# Altium PCB ZS-005.PcbDoc
Units mm, origin at the board's own origin, x right, y up, seen from the top; angles counter-clockwise.
Board outline 180.25 x 100.25 mm, 2 copper layers (Top Layer, Bottom Layer); 88 components, 144 nets, 418 pads, 166 vias.
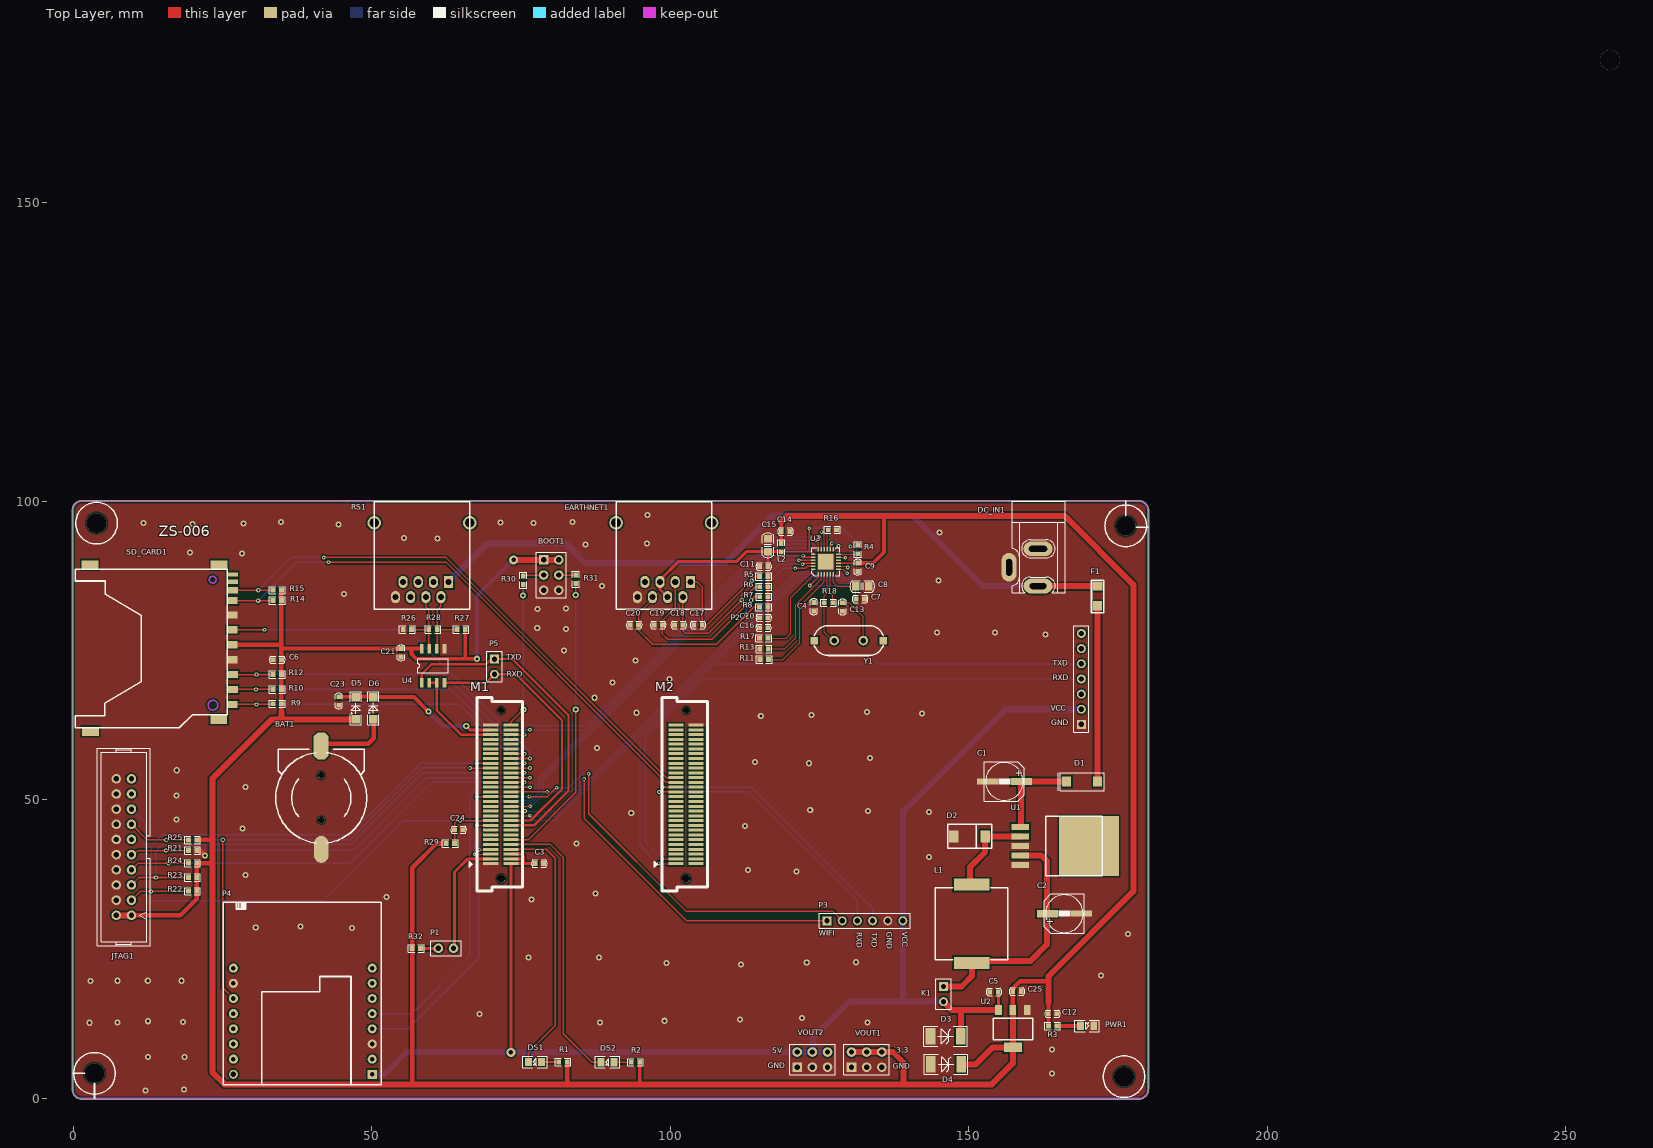
[diagram p0: Top Layer view]
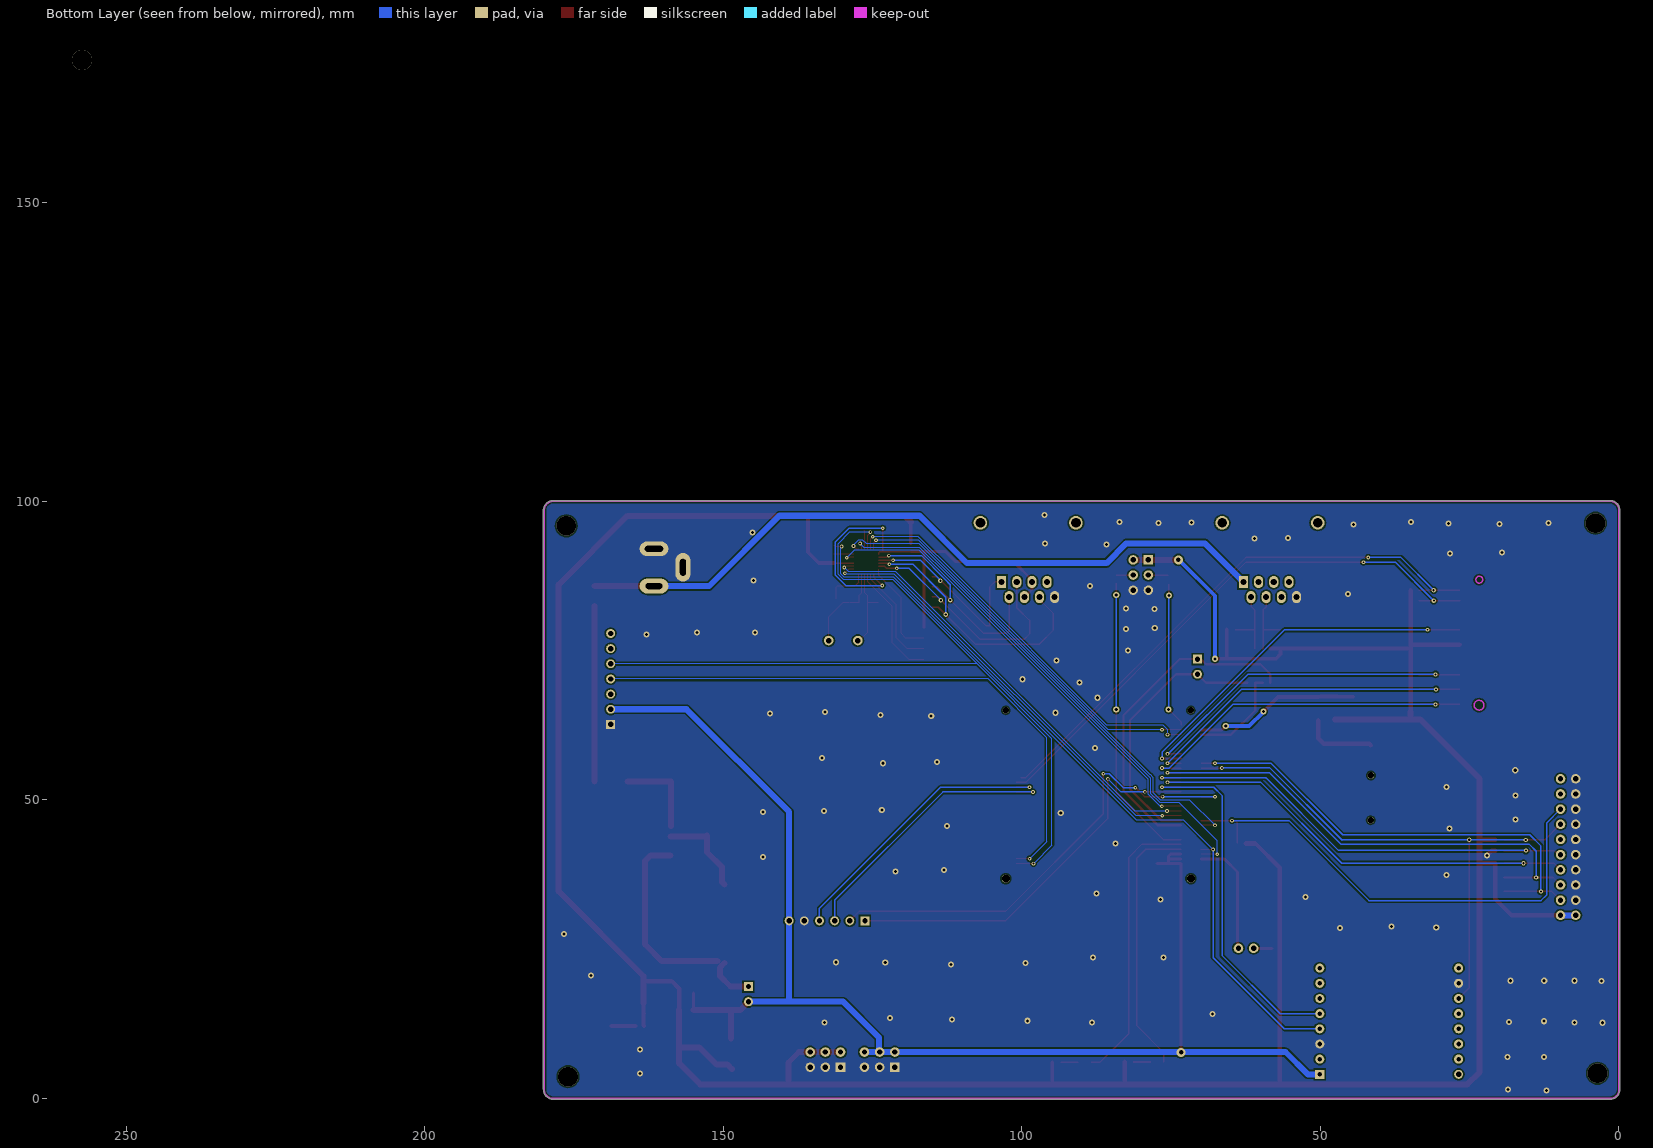
[diagram p1: Bottom Layer view, seen from below]
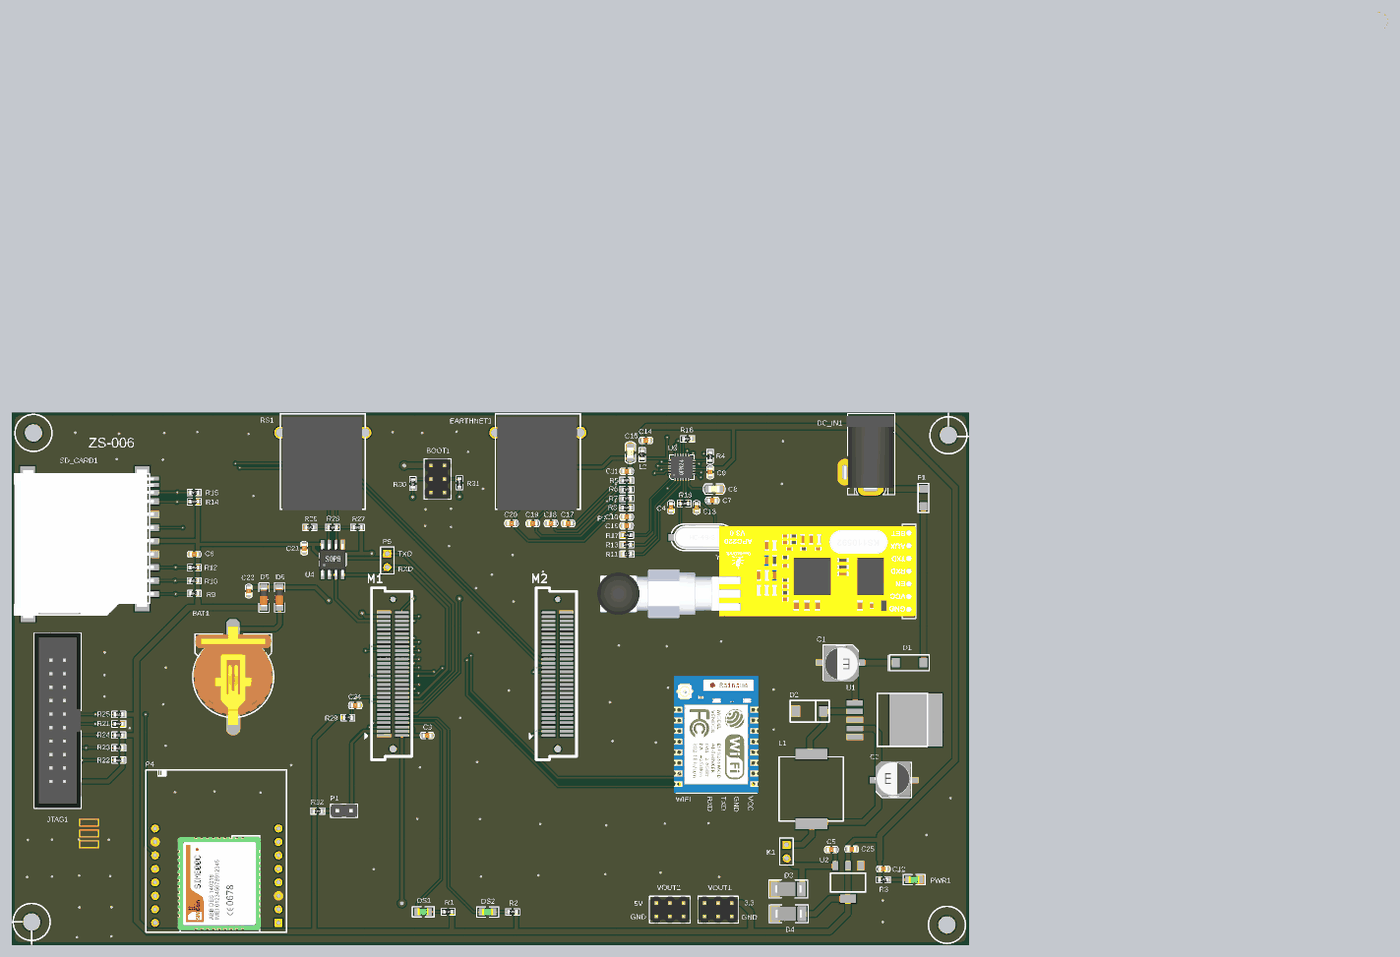
[diagram p2: 3D render of the assembled board from above, using the file's embedded part models]

## Layer stack, top to bottom
Top Solder: solder mask 0.0102, Solder Resist, Dk 3.5
Top Layer: signal copper 0.0356
Dielectric 1: dielectric 0.32, FR-4, Dk 4.8
Bottom Layer: signal copper 0.0356
Bottom Solder: solder mask 0.0102, Solder Resist, Dk 3.5

## Board outline
1.362,-0.121 cw(c1.5,1.5) -0.121,1.362 cw(c0,1.4) -0.127,1.4 -0.127,98.6 cw(c0,98.6) -0.121,98.638 cw(c1.5,98.5) 1.499,100.127 cw(c1.5,98.5) 1.5,100.127 178.6,100.127 cw(c178.6,100) 178.638,100.121 cw(c178.5,98.5) 180.121,98.638 cw(c180,98.6) 180.127,98.6 180.127,1.5 cw(c178.5,1.5) 178.501,-0.127 cw(c178.5,0) 178.5,-0.127 1.4,-0.127 cw(c1.4,0)

## Design rules (kind name [scope] priority, off if disabled: settings)
Clearance 铺铜12mil [InPolygon] p1: gap=0.254
Clearance 线间距7mil [All] p2: gap=0.178
DiffPairsRouting 差分线看具体阻抗要求 [All] p1: maxlimit=0.254 minlimit=0.254 mostfreqgap=0.254 toplayer_minwidth=0.381 toplayer_maxwidth=0.381 toplayer_prefwidth=0.381 bottomlayer_minwidth=0.381 bottomlayer_maxwidth=0.381 bottomlayer_prefwidth=0.381 maxuncoupledlength=12.7
PolygonConnect [All] p1: connectstyle=Direct reliefconductorwidth=0.254 reliefentries=4 polygonreliefangle="90 Angle" airgapwidth=0.254
RoutingVias 过孔大小 [All] p1: holewidth=0.508 width=1.016 viastyle="Through Hole" minholewidth=0.305 minwidth=0.61 maxholewidth=0.762 maxwidth=1.524
SolderMaskExpansion [All] p1: expansion=0.102
Width 线宽 [All] p1: maxlimit=1.27 minlimit=0.178 preferedwidth=0.254
29 further rules are at their usual default settings.

## Components (designator, comment, footprint, x,y, rotation, side; value= is the part's Value field where it differs from the comment)
BAT1 "BATT" BATM 41.58,50.343 r180 top
BOOT1 "BOOT" HDR2X3 78.816,90.195 r270 top
C1 "100uF" CC6.56.5 155.981,53.086 r180 top
C2 "1000uf" CC6.56.5 166.04,30.937 r0 top
C3 "Cap" c0603 78.105,39.345 r0 top
C4 "22pF" C0603 124.054,82.347 r90 top
C5 "104" C0603 154.254,17.831 r180 top
C6 "104" C0603 34.214,73.482 r0 top
C7 "104pF" C0603 131.826,83.642 r180 top
C8 "10uF" C0805 132.182,85.801 r180 top
C9 "104pF" C0603 131.42,88.976 r90 top
C10 "104pF" C0603 115.697,80.518 r0 top
C11 "104pF" C0603 115.697,89.103 r0 top
C12 "10uf" C0603 164.059,14.173 r180 top
C13 "22pF" C0603 128.88,82.321 r90 top
C14 "104pF" C0603 119.329,94.945 r180 top
C15 "10uF" C0805 116.357,92.634 r270 top
C16 "223pF" C0603 115.672,78.842 r0 top
C17 "10pF" C0603 104.673,79.299 r0 top
C18 "10pF" C0603 101.448,79.299 r0 top
C19 "10pF" C0603 98,79.3 r0 top
C20 "10pF" C0603 94,79.3 r0 top
C21 "104pF" C0603 54.94,74.625 r270 top
C23 "104pF" C0603 44.501,66.548 r90 top
C24 "104pF" C0603 64.592,44.983 r180 top
C25 "Cap" c0603 158.09,17.907 r180 top
D1 "M7" "SMA (DO-214AC)" 166.395,53.061 r0 top
D2 "1N5822" "smb do214aa" 147.5,43.9 r0 top
D3 "SMBJ5.0A" SMBJ 146.126,10.414 r0 top
D4 "SMBJ3.3A" SMBJ 146.202,5.74 r0 top
D5 "1N4148" Diode_MELF(1206) 47.346,65.151 r90 top
D6 "1N4148" Diode_MELF(1206) 50.292,65.176 r90 top
DC_IN1 "POWER" DC10B 157.3,96.5 r270 top
DS1 "LED0" SMDLED 77.361,6.102 r180 top
DS2 "LED1" SMDLED 89.513,6.069 r180 top
EARTHNET1 "RJ45" RJ45 103.4,86.5 r180 top locked
F1 "PPTC" 1206 171.593,85.807 r270 top
JTAG1 "JTAG" JTAG_20 8.522,42.1 r90 top
K1 "Header 2H" HDR1X2#1 145.8,18.741 r270 top
L1 "" l1212 150.012,35.306 r0 top
L2 "220R,2.0A,0.05DCR" R0603 118.618,92.253 r90 top
M1 "STM32F767" 60pin 71.7,36.8 r90 top locked
M2 "STM32F767" 60pin 102.7,36.8 r90 top locked
P1 "VREF_SEL" HDR1X2#2 63.729,25.146 r180 top
P2 "433" HDR1X7 168.885,62.636 r90 top locked
P3 "WIFI" HDR1X6 126.289,29.743 r0 top
P4 "GPRS" GPRS 50.114,4.039 r90 top
P5 "232" HDR1X2#1 70.587,73.584 r270 top
PWR1 "SYS" SMDLED 169.85,12.167 r0 top
R1 "510R" R0603 82.06,6.102 r0 top
R2 "510R" R0603 94.212,6.068 r0 top
R3 "510R" R0603 164.059,12.141 r180 top
R4 "510R" R0603 131.42,91.923 r270 top
R5 "49.9R" R0603 115.697,87.401 r0 top
R6 "49.9R" R0603 115.722,85.7 r0 top
R7 "49.9R" R0603 115.722,84.023 r0 top
R8 "49.9R" R0603 115.697,82.271 r0 top
R9 "47K" R0603 34.214,66.091 r0 top
R10 "47K" R0603 34.214,68.478 r0 top
R11 "10K" R0603 115.748,73.508 r180 top
R12 "47K" R0603 34.214,70.993 r0 top
R13 "10K" R0603 115.722,75.286 r180 top
R14 "47K" R0603 34.214,83.388 r0 top
R15 "47K" R0603 34.214,85.115 r0 top
R16 "10K" R0603 127.178,95.225 r180 top
R17 "12.1K" R0603 115.697,77.089 r0 top
R18 "1M" R0603 126.543,83.033 r0 top
R21 "10K" R0603 20.022,41.5 r180 top
R22 "10K" R0603 20.022,34.7 r180 top
R23 "10K" R0603 20.022,37 r180 top
R24 "10K" R0603 20.022,39.4 r180 top
R25 "10K" R0603 20.022,43.3 r180 top
R26 "360R" R0603 56,78.517 r180 top
R27 "360R" R0603 65,78.517 r0 top
R28 "120R" R0603 60.3,78.517 r0 top
R29 "10K" R0603 63.195,42.697 r180 top
R30 "10K" R0603 75.413,86.792 r90 top
R31 "10K" R0603 84.201,86.944 r270 top
R32 "10R" R0603 57.506,25.095 r0 top
RS1 "RS485" RJ45 62.9,86.5 r180 top
SD_CARD1 "sd card" SDCARD_L 26.7,68.5 r270 top
U1 "LM2576" TO-263-5 158.648,45.466 r270 top
U2 "AMS1117-3.3" AMS1117-3.3 160.7,9.841 r180 top
U3 "LAN8720A" QFN24 126.086,89.891 r90 top locked
U4 "SP3485" SOP-8 58.395,69.621 r90 top
VOUT1 "3.3V" HDR2X3 130.378,5.232 r0 top
VOUT2 "5V" HDR2X3 121.285,5.232 r0 top
Y1 "25MHz" XTAL_US 129.921,76.683 r0 top

## Footprints (in the part's own frame and the unit in brackets; to place one, negate y for a bottom-side part, rotate by r counter-clockwise, add the part's x,y. Pads: shape width x height; smd on the part's side, far side on the other; paste and mask are expansions set on the pad)
60pin [mm]
  rect 0.5x2.54 smd: 1(2.53,1.727) 2(3.33,1.727) 3(4.13,1.727) 4(4.93,1.727) 5(5.73,1.727) 6(6.53,1.727) 7(7.33,1.727) 8(8.13,1.727) 9(8.93,1.727) 10(9.73,1.727) 11(10.53,1.727) 12(11.33,1.727) 13(12.13,1.727) 14(12.93,1.727) 15(13.73,1.727) 16(14.53,1.727) 17(15.33,1.727) 18(16.13,1.727) 19(16.93,1.727) 20(17.73,1.727) 21(18.53,1.727) 22(19.33,1.727) 23(20.13,1.727) 24(20.93,1.727) 25(21.73,1.727) 26(22.53,1.727) 27(23.33,1.727) 28(24.13,1.727) 29(24.93,1.727) 30(25.73,1.727) 31(25.73,-1.65) 32(24.93,-1.65) 33(24.13,-1.65) 34(23.33,-1.65) 35(22.53,-1.65) 36(21.73,-1.65) 37(20.93,-1.65) 38(20.13,-1.65) 39(19.33,-1.65) 40(18.53,-1.65) 41(17.73,-1.65) 42(16.93,-1.65) 43(16.13,-1.65) 44(15.33,-1.65) 45(14.53,-1.65) 46(13.73,-1.65) 47(12.93,-1.65) 48(12.13,-1.65) 49(11.33,-1.65) 50(10.53,-1.65) 51(9.73,-1.65) 52(8.93,-1.65) 53(8.13,-1.65) 54(7.33,-1.65) 55(6.53,-1.65) 56(5.73,-1.65) 57(4.93,-1.65) 58(4.13,-1.65) 59(3.33,-1.65) 60(2.53,-1.65)
  round 1.35 hole 1.35: ""(0,0)
  round 1.05 hole 1.05: ""(28.194,0)
  silkscreen extent -2.03,-3.56 30.35,5.33
1206 [mm]
  rect 1.5x1.6 smd: 1(0,0)
  rect 1.6x1.5 smd: 2(3.302,0)
  silkscreen extent -1.02,-1.02 4.44,1.02
AMS1117-3.3 [mm]
  rect 1.14x1.65 smd: 1(0.889,-4.953) 2(3.302,-4.953) 3(5.715,-4.953)
  rect 3x1.65 smd: 4(3.302,1.27)
  silkscreen extent 0,-3.56 6.6,0
BATM [mm]
  round 1.1 hole 1.1 unplated: 0(0,3.748) 0(0.025,-3.752)
  oct 2.5x4.5 smd: 1(0.025,-8.687)
  oval 2.5x4.5 smd: 2(0,8.636)
  silkscreen extent -7.62,-8.13 7.62,7.57, body extent -7.49,-9.5 7.5,9, height 4.44
c0603 [mm]
  rect 0.8x0.8 smd: 1(-0.711,0) 2(0.711,0)
  silkscreen extent -1.32,-0.61 1.32,0.61, body extent -0.8,-0.41 0.8,0.4, height 0.88
C0603 [mm]
  rect 0.8x0.8 smd: 1(-0.711,0) 2(0.711,0)
  silkscreen extent -1.32,-0.61 1.32,0.61, body extent -0.8,-0.41 0.8,0.4, height 0.88
C0805 [mil]
  rect 50x54 smd: 1(-42,1) 2(42,1)
  silkscreen extent -81,-37 81,39, body extent -39,-24 40,25, height 20
CC6.56.5 [mm]
  rect 3.5x1.2 smd: 1(-2.845,0)
  rect 3.5x1 smd: 2(2.845,0)
  silkscreen extent -3.35,-3.31 3.33,3.31, body extent -3.63,-3.05 3.37,3.55, height 5.2
DC10B [mm]
  oval 2.5x4.8 hole 1 slot 2.794 at 90 deg: 1(10.693,4.318)
  oval 2.5x4.8 hole 1 slot 3.048 at 90 deg: 2(4.445,4.318)
  oval 4.8x2.5 hole 1 slot 2.794 at 0 deg: 3(7.544,-0.533)
  silkscreen extent -3.5,0 11.81,8.89, body extent -3.04,-0.68 10.79,8.82, height 11.02
Diode_MELF(1206) [mm]
  rect 1.4x1.4 smd: 1(-1.651,0) 2(2.032,0)
  silkscreen extent -2.59,-0.94 2.97,0.94, body extent -1.5,-0.75 2,0.75, height 1.51
GPRS [mil]
  rect 60x60 hole 30: 1(0,0)
  round 60 hole 30: 2(100,0) 3(200,0) 4(300,0) 5(400,0) 6(500,0) 7(600,0) 8(700,0) 9(700,915.35) 10(600,915.35) 11(500,915.35) 12(400,915.35) 13(300,915.35) 14(200,915.35) 15(100,915.35)
  round 59.06 hole 35.43: 16(0,915.35)
  Top Layer lines w10: 0,10 0,0
  silkscreen extent -70,-60 1135,983, body extent -55,131 638,749, height 97
HDR1X2#1 [mm]
  rect 1.5x1.5 hole 0.9: 1(0,0)
  round 1.5 hole 0.9: 2(2.54,0)
  silkscreen extent -1.27,-1.27 3.81,1.27
HDR1X2#2 [mm]
  round 1.6 hole 0.9: 1(0,0) 2(2.54,0)
  silkscreen extent -1.27,-1.27 3.81,1.27, body extent -1.27,-1.27 3.81,1.27, height 8.54
HDR1X6 [mm] "Connector; Header; 6 Position"
  rect 1.5x1.5 hole 0.9: 1(0,0)
  round 1.5 hole 0.9: 2(2.54,0) 3(5.08,0) 4(7.62,0) 5(10.16,0) 6(12.7,0)
  silkscreen extent -1.27,-1.27 13.97,1.27, body extent -1.71,-1.22 14.29,20.78, height 3.5
HDR1X7 [mm] "Connector; Header; 7 Position"
  rect 1.5x1.5 hole 0.9: 1(0,0)
  round 1.5 hole 0.9: 2(2.54,0) 3(5.08,0) 4(7.62,0) 5(10.16,0) 6(12.7,0) 7(15.24,0)
  silkscreen extent -1.27,-1.27 16.51,1.27, body extent -1.18,-1.27 16.16,58.73, height 71
HDR2X3 [mm]
  rect 1.6x1.6 hole 0.9: 1(0,0)
  round 1.6 hole 0.9: 2(0,2.54) 3(2.54,0) 4(2.54,2.54) 5(5.08,0) 6(5.08,2.54)
  silkscreen extent -1.27,-1.27 6.35,3.81, body extent -1.27,-1.23 6.35,3.77, height 8.4
JTAG_20 [mm]
  round 1.6 hole 0.9: 1(-11.43,-1.27) 2(-11.43,1.27) 3(-8.89,-1.27) 4(-8.89,1.27) 5(-6.35,-1.27) 6(-6.35,1.27) 7(-3.81,-1.27) 8(-3.81,1.27) 9(-1.27,-1.27) 10(-1.27,1.27) 11(1.27,-1.27) 12(1.27,1.27) 13(3.81,-1.27) 14(3.81,1.27) 15(6.35,-1.27) 16(6.35,1.27) 17(8.89,-1.27) 18(8.89,1.27) 19(11.43,-1.27) 20(11.43,1.27)
  silkscreen extent -16.51,-4.45 16.51,4.45, body extent -16.44,-4.45 16.56,4.35, height 10.9
l1212 [mm]
  rect 6x2 smd: 1(0.508,0.508) 2(0.508,-12.608)
  silkscreen extent -5.6,-12.1 6.5,0
QFN24 [mm]
  rect 0.8x0.254 smd: 1(-2.101,1.25) 2(-2.101,0.75) 3(-2.101,0.25) 4(-2.101,-0.25) 5(-2.101,-0.75) 6(-2.101,-1.25) 13(2.101,-1.25) 14(2.101,-0.75) 15(2.101,-0.25) 16(2.101,0.25) 17(2.101,0.75) 18(2.101,1.25)
  rect 0.254x0.8 smd: 7(-1.255,-2.101) 8(-0.755,-2.101) 9(-0.255,-2.101) 10(0.245,-2.101) 11(0.745,-2.101) 12(1.245,-2.101) 19(1.245,2.101) 20(0.745,2.101) 21(0.245,2.101) 22(-0.255,2.101) 23(-0.755,2.101) 24(-1.255,2.101)
  rect 2.6x2.6 smd: 25(0,0)
  silkscreen extent -2.33,-2.32 2.32,2.33, body extent -2,-2 2,2, height 0.9
R0603 [mm]
  rect 0.8x0.8 smd: 1(-0.711,0) 2(0.699,-0.002)
  silkscreen extent -1.32,-0.61 1.32,0.61, body extent -0.85,-0.4 0.85,0.4, height 0.56
RJ45 [mil]
  rect 60x80 hole 40: 1(0,0)
  oval 60x80 hole 40: 2(50,100) 3(100,0) 4(150,100) 5(200,0) 6(250,100) 7(300,0) 8(350,100)
  round 90 hole 65: ""(-140,-390) ""(490,-390)
  silkscreen extent -140,-530 490,179, body extent -116,-504 476,184, height 500
SDCARD_L [mm]
  rect 1.2x1.8 smd: 1(0,0) 2(-2.489,0) 3(-4.983,-0.009) 4(-7.483,-0.009) 5(-9.983,-0.009) 6(-12.483,-0.009) 7(-14.908,-0.009) 9(2.517,-0.009)
  rect 1.1x1.8 smd: 8(-16.612,0)
  rect 0.7x1.8 smd: 10(-18.034,0) 12(-19.253,0)
  rect 1.5x2.8 smd: 11(-20.853,-2.261) 11(-20.853,-23.851) 11(5.004,-2.286) 11(7.01,-23.784)
  Keep-Out Layer circle w0.254: c-18.39,-3.3 r0.58
  Keep-Out Layer circle w0.254: c2.642,-3.26 r0.82
  silkscreen extent -20.13,-26.3 6.44,-0.9, body extent -20.93,-26.34 7.04,-0.09, height 3.3
"SMA (DO-214AC)" [mm]
  rect 1.5x1.7 smd: 1(0,0) 2(5.213,0)
  silkscreen extent -1.4,-1.52 6.33,1.47
"smb do214aa" [mm]
  rect 1.6x2 smd: 1(0,0) 2(5.273,-0.003)
  silkscreen extent -1.02,-2.03 6.35,2.03
SMBJ [mm]
  rect 1.6x2.8 smd: 1(-2.515,0) 2(2.54,0)
  silkscreen extent -3.66,-1.68 3.66,1.68, body extent -2.53,-1.33 2.58,1.33, height 2.12
SMDLED [mil]
  rect 45x55 smd: 1(-43,0) 2(43,0)
  silkscreen extent -81,-38 81,38, body extent -40,-25 40,25, height 43
SOP-8 [mil]
  rect 65x25 smd: 1(0,0) 2(0,-50) 3(0,-100) 4(0,-150) 5(224.41,-150) 6(224.41,-100) 7(224.41,-50) 8(224.41,0)
  silkscreen extent 65,-175 159,25, body extent -8,-173 230,25, height 63
TO-263-5 [mm]
  rect 1x3 smd: 1(0,0) 2(1.6,0) 3(3.2,0) 4(4.8,0) 5(6.4,0)
  rect 10x10 smd: 6(3.2,11.5)
  silkscreen extent -1.8,4.24 8.2,13.7
XTAL_US [mm]
  round 1.6 hole 0.9: 1(-2.44,0) 2(2.44,0)
  rect 1.27x1.27 smd: ""(-5.75,0) ""(5.75,0)
  silkscreen extent -5.77,-2.5 5.77,2.5, body extent -5.39,-2.26 5.41,2.24, height 3.5

## Part data
BAT1: library part BAT
BOOT1 VOUT1 VOUT2: library part "Header 3X2", "Header, 3-Pin, Dual row"
C1 C2: library part Cap
C3 C25: "Capacitor"
C4 C5 C6 C7 C8 C9 C10 C11 C13 C14 C15 C16 C17 C18 C19 C20 C21 C23 C24: library part C
C12: library part Cap, "50V/8.2u/0805"
D2: library part "D Zener", "Zener Diode"
D3 D4: library part SMBJ, "TVS"
D5 D6: library part D
DC_IN1: library part POW
DS1 DS2 PWR1: library part LED2, "Typical RED, GREEN, YELLOW, AMBER GaAs LED"
EARTHNET1: library part HR911105
K1: "Header, 2-Pin, Right Angle"
L1: library part Inductor, "Inductor"
L2: library part L
M1 M2: library part J1
P1 P5: library part "Header 2", "Header, 2-Pin"
P2: library part "Header 7", "Header, 7-Pin"
P3: library part "Header 6H", "Header, 6-Pin, Right Angle"
P4: library part "Header 8X2A", "Header, 8-Pin, Dual row"
R1 R2 R3 R4 R5 R6 R7 R8 R9 R10 R11 R12 R13 R14 R15 R16 R17 R18 R21 R22 R23 R24 R25 R26 R27 R28 R29 R30 R31 R32: library part R
RS1: library part "Header 8", "Header, 8-Pin"
U3: library part LAN8720, "ETH PHY"
U4: library part MAX3485
Y1: library part XTAL, "Crystal Oscillator"

## Via types
v1: diameter 1.016, hole 0.508, Top Layer to Bottom Layer, tented both sides, 97 vias
v2: diameter 0.61, hole 0.305, Top Layer to Bottom Layer, tented both sides, 47 vias
v3: diameter 0.711, hole 0.356, Top Layer to Bottom Layer, tented both sides, 10 vias
v4: diameter 0.762, hole 0.381, Top Layer to Bottom Layer, tented both sides, 5 vias
v5: diameter 3.3, hole 3.3, Top Layer to Bottom Layer, 4 vias
v6: diameter 1.524, hole 0.762, Top Layer to Bottom Layer, tented both sides, 2 vias
v7: diameter 3.3, hole 3.3, Top Layer to Bottom Layer, tented both sides, 1 vias

## Nets (pads, with @x,y where several pads share a name; then routed paths per layer and width w, separated by ;. In a path a pad name is that pad's centre, name@x,y a point inside that pad or via, vN(x,y) a via of type N, cw(c..) or ccw(c..) an arc to the next point about the centre after c; other vN are vias at no path point)
1WIRE_DQ: M2.4
433_RX: M2.2 P2.4 | length 101.1
  Top Layer w0.178: v2(98.703,40.13) M2.2
  Bottom Layer w0.178: v2(98.703,40.13) 95.809,43.024 95.809,60.427 105.639,70.256 P2.4@169.062,70.256
433_TX: M2.1 P2.5 U3.16 | length 148.3
  Top Layer w0.178: v2(98.058,39.33) M2.1 ; v2(125.374,94.844) 125.374,94.818 125.832,94.361 125.832,93.574 ; U3.16 125.835,93.574
  Bottom Layer w0.178: v2(98.058,39.33) 94.971,42.418 94.971,60.274 107.493,72.796 ; v2(125.374,94.844) 128.88,94.844 130.792,92.931 130.792,87.8 129.835,86.843 121.539,86.843 107.493,72.796 ; P2.5@169.062,72.796 107.493,72.796
BOOT0: M1.31 R30.1 | length 24.4
  Top Layer w0.254: M1.31 73.35,63.089 v1(75.413,65.151) ; v1(75.387,84.252) 75.387,86.055 R30.1
  Bottom Layer w0.254: v1(75.387,84.252) 75.413,84.226 v1(75.413,65.151)
BOOT1: M1.55 R31.2 | length 49
  Top Layer w0.254: M1.55 76.263,43.33 84.214,51.281 84.201,51.293 v1(84.201,65.126) ; v1(84.199,84.326) R31.2
  Bottom Layer w0.254: v1(84.201,65.126) 84.201,84.226 v1@84.214,84.239
DCMI_D0: M2.16 P3.3 | length 47
  Top Layer w0.254: v2(98.142,51.33) M2.16
  Bottom Layer w0.254: v2(98.142,51.33) 113.236,51.33 131.369,33.198 P3.3
DCMI_D1: M2.17 P3.4 | length 47.9
  Top Layer w0.254: v2(98.728,52.13) M2.17
  Bottom Layer w0.254: v2(98.728,52.13) 113.63,52.13 133.909,31.852 P3.4
DCMI_D2: M2.18 R14.1 SD_CARD1.7 | length 94.6
  Top Layer w0.254: SD_CARD1.7 26.711,83.388 R14.1 ; v2(42.799,89.789) v2@42.824,89.764 ; v2@42.901,89.764 62.535,89.764 99.368,52.93 M2.18
  Bottom Layer w0.254: v3(31.013,83.363) 37.44,89.789 v2(42.799,89.789)
DCMI_D3: M2.19 R15.1 SD_CARD1.8 | length 93.5
  Top Layer w0.254: SD_CARD1.8 R15.1@33.5,85.112 ; v2(41.986,90.602) 62.484,90.602 99.39,53.696 M2.19@100.203,53.696
  Bottom Layer w0.254: v3(31.039,85.115) 36.525,90.602 v2(41.986,90.602)
DCMI_D4: M1.39 R10.1 SD_CARD1.1 | length 58.9
  Top Layer w0.254: SD_CARD1.1 v3(30.658,68.5) R10.1@33.481,68.5 ; M1.39 73.354,56.134 v2@75.489,56.134
  Bottom Layer w0.254: v3(30.658,68.5) 63.25,68.5 75.489,56.261 v2@75.489,56.134
  other v2: 75.612,56.134
DCMI_D5: M1.36
DCMI_D6: M1.26
DCMI_D7: M1.27
DCMI_HREF: M2.3
DCMI_PCLK: M1.47
DCMI_RESET: JTAG1.5 M1.41 R23.2 | length 83.8
  Top Layer w0.254: JTAG1.5 11.044,37.002 v3(13.868,37.002) R23.2 ; M1.41 73.354,54.534 v2@75.565,54.534
  Bottom Layer w0.254: v3(13.868,37.002) 13.868,41.402 15.011,42.545 46.533,42.545 58.522,54.534 v2@75.565,54.534
  other v2: 75.612,54.534
DCMI_SCL: JTAG1.3 M1.22 R22.2 | length 80.5
  Top Layer w0.254: JTAG1.3 11.284,34.702 R22.2 ; v2(67.669,56.13) M1.22
  Bottom Layer w0.254: v3(13.081,34.646) 13.081,42.291 14.935,44.145 46.279,44.145 58.268,56.134 v2@67.666,56.134 ; v2@67.64,56.159 v2@67.666,56.134 ; v2(67.669,56.13) v2@67.666,56.134
DCMI_SDA: JTAG1.13 M1.21 P4.11 R25.2 | length 97.2
  Top Layer w0.254: JTAG1.13 9.843,45.91 12.451,43.302 v3(15.621,43.302) R25.2 ; v4(25.07,43.307) 25.07,18.533 P4.11 ; v2(66.514,55.33) M1.21
  Bottom Layer w0.254: v3(15.621,43.302) 15.626,43.307 v4(25.07,43.307) 46.228,43.307 ; 46.355,43.231 58.471,55.347 66.497,55.347 v2(66.514,55.33)
DCMI_VSYNC: M1.25
DCMI_XCLK: M2.20
ETH_MDC: M1.9 U3.13 | length 85.9
  Top Layer w0.203: v2(67.65,45.73) M1.9 ; U3.13 127.653,91.992 v2(128.194,92.532)
  Bottom Layer w0.203: v2(67.65,45.73) 71.882,49.962 76.759,49.962 78.003,51.206 78.003,53.727 78.455,54.178 78.468,54.178 111.76,87.47 111.76,87.484 117.19,92.913 124.193,92.913 126.021,92.913 126.631,93.523 127.42,93.523 128.194,92.749 v2(128.194,92.532) v2@128.118,92.608
ETH_MDIO: M1.4 P4.4 R4.1 | length 130.4
  Top Layer w0.178: v2@68.019,41.73 v2(67.97,41.681) 69.924,41.681 M1.4 ; v2(130.2,92.431) 131.216,92.431 R4.1
  Bottom Layer w0.178: v2(67.97,41.681) 72.873,46.584 80.747,46.584 121.463,87.3 129.789,87.3 130.365,87.876 130.365,92.266 v2(130.2,92.431)
  Bottom Layer w0.254: P4.4 56.058,11.659 67.97,23.571 v2(67.97,41.681)
ETH_RESET: R16.2 U3.15 | length 3.1
  Top Layer w0.178: U3.15 126.327,92 126.327,95.009 R16.2@126.365,95.047
FMC_A16_CLE: M2.23
FMC_A17_ALE: M2.21
FMC_A18: M2.14
FMC_D0: M2.45
FMC_D1: M2.46
FMC_D2: M2.47
FMC_D3: M2.48
FMC_D4: M2.49
FMC_D5: M2.50
FMC_D6: M2.51
FMC_D7: M2.52
FMC_D8: M2.53
FMC_D9: M2.54
FMC_D10: M2.55
FMC_D11: M2.56
FMC_D12: M2.57
FMC_D13: M2.58
FMC_D14: M2.59
FMC_D15: M2.60
FMC_NBL0: M2.43
FMC_NBL1: M2.44
FMC_NE1: M1.35
FMC_NOE: M2.26
FMC_NWAIT: M2.27
FMC_NWE: M2.22
GBC_KEY: M1.15 P3.2 | length 79.4
  Top Layer w0.254: v2(67.652,50.53) M1.15 ; v2@76.53,50.648 v2(76.429,50.546) 79.475,50.546 80.948,52.019 v2(81.001,52.019) ; v2(86.36,54.381) 86.36,47.676 102.667,31.369 127.203,31.369 P3.2
  Bottom Layer w0.254: v2(67.652,50.53) 76.286,50.53 76.352,50.597 76.403,50.546 v2(76.429,50.546) ; v2(81.001,52.019) 83.007,52.019 85.369,54.381 v2(86.36,54.381)
GBC_LED: M1.45 P3.1 | length 67.6
  Top Layer w0.254: M1.45 79.397,51.33 v2(79.4,51.333) ; v2(85.598,53.518) 85.598,46.914 102.768,29.743 P3.1
  Bottom Layer w0.254: v2(79.4,51.333) 83.407,51.333 83.41,51.33 v2(85.598,53.518)
GND: BAT1.2 BOOT1.5 BOOT1.6 C1.2 C2.2 C3.2 C4.1 C5.2 C6.1 C7.1 C8.1 C9.1 C10.1 C11.1 C12.1 C13.1 C14.1 C15.1 C16.1 C17.1 C18.1 C19.1 C20.1 C21.2 C23.1 C24.1 C25.1 D2.1 D3.1 D4.1 DC_IN1.2 DC_IN1.3 EARTHNET1.8 JTAG1.4 JTAG1.6 JTAG1.8 JTAG1.10 JTAG1.12 JTAG1.14 JTAG1.16 JTAG1.18 JTAG1.20 M1.1 M1.30 M2.31 P2.1 P3.5 P4.3 P4.10 PWR1.2 R11.2 R13.2 R16.1 R17.1 R21.1 R26.2 RS1.8 SD_CARD1.3 SD_CARD1.6 U1.3 U1.5 U2.1 U3.25 U4.5 VOUT1.1 VOUT1.3 VOUT1.5 VOUT2.1 VOUT2.3 VOUT2.5 | length 1.7
  Top Layer w0.762: R21.1 21.289,41.5 v1(22.073,40.716)
  other v1: 12.141,1.321 18.618,1.499 163.957,4.166 12.573,6.96 18.669,6.96 163.957,8.23 2.743,12.675 133.096,12.7 7.442,12.751 88.24,12.751 18.415,12.827 12.573,12.929 99.06,13.005 111.684,13.183 122.072,13.462 68.047,14.148 2.896,19.66 7.417,19.71 12.522,19.71 18.136,19.71 172.161,20.574 111.862,22.403 99.416,22.657 122.885,22.733 131.115,22.809 76.276,23.597 88.062,23.597 176.682,27.534 46.711,28.575 30.607,28.651 38.075,28.778 76.759,33.325 52.502,33.757 87.503,34.341 28.854,37.389 121.183,38.024 113.03,38.278 143.383,40.437 84.328,42.672 28.397,45.212 112.522,45.593 17.323,46.685 93.497,47.828 143.383,48.006 133.172,48.158 123.469,48.336 17.323,50.698 28.854,52.146 17.374,54.966 123.241,56.134 114.224,56.312 133.477,57.048 87.782,58.699 115.189,64.059 123.673,64.186 142.189,64.491 94.361,64.592 132.969,64.694 87.325,67.107 90.322,69.647 99.924,70.206 94.209,73.33 82.245,75.032 162.865,77.673 144.729,78.003 154.407,78.054 82.601,78.613 77.749,78.816 77.8,81.94 82.601,82.042 45.39,84.48 88.621,85.827 144.932,86.766 28.321,91.288 19.609,91.415 85.827,92.786 96.139,92.913 61.036,93.777 55.423,93.853 145.11,94.793 44.475,96.139 20.041,96.19 28.575,96.317 77.14,96.342 11.836,96.393 71.603,96.469 34.823,96.52 83.642,96.571 96.241,97.688
GPRS_TX: M1.44 P4.5 | length 60.5
  Top Layer w0.254: M1.44 73.36,52.121 v2@76.276,52.121
  Bottom Layer w0.254: P4.5 56.744,14.199 66.472,23.927 66.472,50.724 67.869,52.121 v2@76.276,52.121
  other v2: 76.53,52.121
IIC_SCL: M1.8
IIC_SDA: M1.7
JTCK: JTAG1.9 M1.42 R21.2 | length 78.7
  Top Layer w0.254: JTAG1.9 10.223,40.83 10.895,41.502 R21.2 ; M1.42 73.436,53.645 73.512,53.721 v2@76.276,53.721
  Bottom Layer w0.254: v3@15.57,41.377 15.723,41.529 46.965,41.529 59.131,53.696 59.182,53.645 59.258,53.721 v2@76.276,53.721
  other v2: 76.53,53.721
  other v3: 15.596,41.504
JTMS: JTAG1.7 M1.43 R24.2 | length 77.5
  Top Layer w0.254: JTAG1.7 10.904,39.402 R24.2 ; M1.43 v2(75.612,52.93)
  Bottom Layer w0.254: v3(16.002,39.395) 46.431,39.395 59.966,52.93 v2(75.612,52.93)
KEY0: M1.6
KEY1: M1.5
KEY2: M1.28 U4.2 U4.3 | length 16.6
  Top Layer w0.381: U4.2 U4.3 60.935,64.973 64.978,60.93 M1.28
LCD_B3: M2.35
LCD_B4: M2.36
LCD_B5: M2.37
LCD_B6: M2.38
LCD_B7: M2.39
LCD_BL: M1.23
LCD_G2: M2.30
LCD_G3: M2.29
LCD_G4: M2.28
LCD_G5: M2.34
LCD_G6: M2.33
LCD_G7: M2.32
LCD_R3: M2.10
LCD_R4: M2.11
LCD_R5: M2.12
LCD_R7: M2.15
LED0: DS1.2 M1.57 | length 44
  Top Layer w0.254: M1.57 79.275,41.73 80.772,40.234 80.772,12.192 76.269,7.689 DS1.2
LED1: DS2.2 M1.56 | length 47.4
  Top Layer w0.254: M1.56 79.959,42.53 82.118,40.371 82.118,10.846 86.919,6.045 DS2.2@88.367,6.045
LED_R6: M2.24
LINK_LED: R11.1 U3.3 | length 19.6
  Top Layer w0.203: R11.1 118.872,73.508 121.717,76.352 121.717,82.423 125.835,86.542 U3.3
NetBAT1_1: BAT1.1 D6.1 | length 12.3
  Top Layer w0.762: BAT1.1@41.554,59.157 41.783,59.385 49.454,59.385 50.368,60.3 D6.1@50.368,63.297
NetBOOT1_3: BOOT1.3 R30.2 | length 3.3
  Top Layer w0.254: R30.2@75.49,87.592 BOOT1.3@78.753,87.592
NetBOOT1_4: BOOT1.4 R31.1 | length 2.8
  Top Layer w0.254: BOOT1.4 R31.1
NetC1_1: C1.1 D1.1 U1.1 | length 14.8
  Top Layer w1.016: U1.1@158.75,45.618 158.775,45.644 158.775,53.086 D1.1@166.065,53.086
NetC4_2: C4.2 R18.1 U3.4 Y1.1 | length 14.1
  Top Layer w0.203: C4.2 124.079,83.033 R18.1@125.806,83.033 ; U3.4 126.335,84.679 125.806,84.15 R18.1@125.806,83.033 ; Y1.1@127.635,76.53 127.406,76.53 125.832,78.105 R18.1 R18.1@125.806,83.033
NetC7_2: C7.2 C8.2 U3.6 | length 7.5
  Top Layer w0.203: U3.6 127.335,86.431 127.991,85.776 130.962,85.776 131.115,85.623 C7.2 C7.2@131.115,83.617
NetC13_2: C13.2 R18.2 U3.5 Y1.2 | length 14.7
  Top Layer w0.203: U3.5 126.835,84.696 127.254,84.277 127.254,83.018 127.268,83.033 C13.2@128.727,83.033 ; C13.2 129.972,83.033 132.334,80.67 132.334,76.911 Y1.2@132.359,76.886
NetD1_2: D1.2 F1.2 | length 29.5
  Top Layer w1.016: F1.2 171.593,53.075 D1.2
NetD2_2: D2.2 L1.1 U1.2 | length 15.5
  Top Layer w1.016: L1.1@149.808,35.808 150.216,36.216 150.216,38.716 152.773,41.273 D2.2 152.804,43.866 U1.2@158.826,43.866 ; D2.2@152.773,43.997 D2.2@152.823,43.947
NetDS1_1: DS1.1 R1.1 | length 2.9
  Top Layer w0.254: DS1.1 R1.1
NetDS2_1: DS2.1 R2.1 | length 2.9
  Top Layer w0.254: DS2.1 R2.1
NetP1_2: P1.2 R32.2 | length 3.1
  Top Layer w0.508: R32.2@58.102,25.121 P1.2@61.214,25.121
NetPWR1_1: PWR1.1 R3.1 | length 4.1
  Top Layer w0.635: R3.1@164.694,12.141 168.732,12.141 PWR1.1
NetR4_2: R4.2 U3.12 | length 3.3
  Top Layer w0.178: U3.12 R4.2@131.482,91.136
NetR17_2: R17.2 U3.24 | length 16.5
  Top Layer w0.203: R17.2 119.429,77.087 120.218,77.876 120.218,83.871 123.985,87.637 U3.24
NetR26_1: R26.1 R28.1 RS1.4 U4.7 | length 11.8
  Top Layer w0.254: R26.1 R28.1 ; RS1.4 59.09,82.363 59.589,81.864 R28.1 ; U4.7@59.715,75.296 59.589,75.423 R28.1
NetR27_1: R27.1 R28.2 RS1.2 U4.6 | length 12.2
  Top Layer w0.254: U4.6@60.999,75.309 R28.2 ; RS1.2 61.63,82.433 60.999,81.801 R28.2 ; R27.1 64.287,78.516 R28.2
NRF_CE: M2.25
NRF_CS: M1.34
PA0: M2.42
PA1: M1.3 U3.14 | length 87.9
  Top Layer w0.203: v2(67.285,40.894) 69.937,40.894 M1.3 ; U3.14 126.835,92.672 v2(127.102,92.939)
  Bottom Layer w0.203: v2(67.285,40.894) 67.285,43.155 73.635,49.505 76.84,49.505 78.384,51.048 78.384,53.569 78.426,53.611 78.44,53.611 112.183,87.354 112.183,87.368 117.068,92.253 126.416,92.253 v2(127.102,92.939)
PA5: M1.46
PA7: M1.48 U3.11 | length 76.9
  Top Layer w0.203: M1.48 76.546,48.93 v2(76.556,48.92) ; U3.11 129.252,90.636 v2(129.337,90.551)
  Bottom Layer w0.203: v2@76.556,48.971 76.846,48.971 78.813,50.938 78.813,53.445 112.564,87.196 112.564,87.21 117.175,91.821 128.067,91.821 v2(129.337,90.551)
PA9: M1.51 P5.2 U4.4 | length 45.7
  Top Layer w0.381: U4.4 69.164,69.621 P5.2 74.193,71.044 81.89,63.348 81.89,51.778 76.641,46.53 M1.51
PA10: M1.52 P5.1 U4.1 | length 55.7
  Top Layer w0.381: U4.1 58.395,71.069 60.046,72.72 69.164,72.72 70.028,73.584 P5.1 73.558,73.584 82.982,64.16 82.982,51.511 77.201,45.73 M1.52
PA11: M1.53
PA12: M1.54
PB6: M1.24
PB13: M2.5
PB14: M2.6
PB15: M2.7
PC4: M1.49 U3.8 | length 75
  Top Layer w0.203: M1.49 v2(75.689,48.13) ; U3.8 129.533,89.136 v2(129.743,88.925)
  Bottom Layer w0.203: v2(75.689,48.13) 81.037,48.13 86.182,53.276 ; 86.182,53.277 121.094,88.189 129.007,88.189 v2(129.743,88.925) v2@129.743,88.976
PC5: M1.50 U3.7 | length 74.9
  Top Layer w0.178: M1.50 v2(76.489,47.33) ; U3.7 128.966,88.636 v2(129.642,87.96)
  Bottom Layer w0.178: v2(76.489,47.33) 80.858,47.33 121.349,87.821 129.502,87.821 v2(129.642,87.96)
PC10: M1.40 R9.1 SD_CARD1.9 | length 59.6
  Top Layer w0.254: SD_CARD1.9 v3(30.734,65.983) R9.1@33.395,65.983 ; M1.40 v2@76.267,55.33
  Bottom Layer w0.254: v3(30.734,65.983) 64.675,65.983 75.327,55.33 v2@76.267,55.33
  other v2: 76.53,55.33
PC12: M1.38 SD_CARD1.5 | length 62.3
  Top Layer w0.254: SD_CARD1.5 v2(32.077,78.483) ; M1.38 v2@76.267,56.93
  Bottom Layer w0.254: v2(32.077,78.483) 56.035,78.483 76.505,58.014 v2@76.505,56.921
  other v2: 76.53,56.93
PD2: M1.37 R12.1 SD_CARD1.2 | length 59.2
  Top Layer w0.254: SD_CARD1.2 R12.1@33.499,70.989 ; M1.37 75.467,57.73 v2@75.489,57.709
  Bottom Layer w0.254: v3(30.734,71.018) 62.179,71.018 v2@75.489,57.709
  other v2: 75.612,57.709
PE2: M1.20
PE3: M1.19
PE4: M1.18
PE5: M1.17
PE6: M1.16
PF6: M1.14
PF7: M1.13
PF8: M1.12
PF9: M1.11
PG3: M2.13
PG13: M1.33 U3.17 | length 68
  Top Layer w0.178: M1.33 73.355,60.935 v2@75.438,60.935 ; v2(124.993,94.082) 125.335,93.74 U3.17
  Bottom Layer w0.178: v2@75.438,60.935 75.59,61.087 75.59,61.722 76.352,62.484 85.75,62.484 111.036,87.77 111.036,87.783 117.334,94.082 v2(124.993,94.082)
  other v2: 75.612,60.935
PG14: M1.32 U3.18 | length 65.9
  Top Layer w0.178: M1.32 73.367,61.747 v2(76.53,61.747) ; v2(124.435,93.497) 124.835,93.097 U3.18
  Bottom Layer w0.178: v2(76.53,61.747) 85.517,61.747 111.392,87.622 111.392,87.636 117.253,93.497 v2(124.435,93.497)
PH6: M2.8
PH7: M2.9
PI3: M2.41
PI8: M2.40
RESET: C24.2 JTAG1.15 M1.10 R29.1 | length 83.6
  Top Layer w0.254: R29.1 63.906,46.126 64.313,46.533 v2(64.821,46.533) 69.97,46.533 M1.10
  Bottom Layer w0.254: JTAG1.15 12.116,46.126 12.116,34.087 13.056,33.147 41.885,33.147 55.27,46.533 v2(64.821,46.533)
SPEED_LED: R13.1 U3.2 | length 17.8
  Top Layer w0.203: R13.1 119.171,75.286 121.056,77.171 121.056,82.652 125.335,86.931 U3.2
TPRX+: C19.2 EARTHNET1.3 R7.1 U3.23 | length 41.9
  Top Layer w0.254: EARTHNET1.3 100.86,82.191 98.711,80.042 C19.2 98.711,77.793 99.593,76.911 107.01,76.911 114.122,84.023 R7.1 ; v2@120.955,88.798 122.667,88.798 123.005,89.136 U3.23
  Bottom Layer w0.254: v4(113.563,83.439) 113.563,83.464 118.872,88.773 120.828,88.773 v2@120.879,88.722
  other v2: 120.955,88.773
TPRX-: C20.2 EARTHNET1.6 R8.1 U3.22 | length 47
  Top Layer w0.254: EARTHNET1.6 97.05,83.563 94.711,81.224 C20.2 94.711,78.441 97.104,76.048 107.772,76.048 113.995,82.271 R8.1 ; v2(122.199,89.459) 122.25,89.459 122.301,89.51 122.352,89.459 122.53,89.637 123.165,89.637 ; 123.037,89.636 U3.22
  Bottom Layer w0.254: v4(112.751,81.051) 112.751,83.947 118.288,89.484 v2@122.174,89.484
TPTX+: C17.2 EARTHNET1.1 R5.1 U3.21 | length 33.6
  Top Layer w0.254: EARTHNET1.1 104.559,86.5 105.41,85.649 105.41,79.2 106.048,79.2 113.563,86.716 113.589,86.69 v4(113.64,86.69) 113.64,86.741 113.614,86.766 114.249,87.401 R5.1 ; v2@121.632,90.136 U3.21
  Bottom Layer w0.254: v4(113.64,86.69) 113.64,86.741 113.614,86.766 116.992,90.145 v2@121.514,90.145
  other v2: 121.564,90.145
TPTX-: C18.2 EARTHNET1.2 R6.1 U3.20 | length 39
  Top Layer w0.203: C18.2@102.186,79.326 C18.2@102.211,79.3
  Top Layer w0.229: v2@122.352,90.907 122.622,90.636 U3.20
  Top Layer w0.254: EARTHNET1.2 102.13,79.328 C18.2 102.159,78.308 102.591,77.876 106.375,77.876 114.198,85.7 R6.1
  Bottom Layer w0.254: v4(111.989,83.464) 111.989,86.046 112.97,87.028 112.97,87.042 116.835,90.907 v2(122.276,90.907) 121.869,90.907
V5OUT: C2.1 K1.1 L1.2 U1.4 | length 42.4
  Top Layer w1.016: K1.1 148.8,18.741 150.597,20.538 150.597,21.903 L1.2@149.808,22.692 ; L1.2@151.029,22.987 160.306,22.987 163.1,25.781 163.1,39.8 162.235,40.665 U1.4@159.735,40.665 ; U1.4@158.826,40.666 U1.4@159.734,40.666 ; 162.229,40.666 U1.4@159.734,40.666
VBAT: C23.2 D5.2 D6.2 M1.29 | length 27.4
  Top Layer w0.508: v1(65.862,62.357) 66.489,61.73 M1.29
  Top Layer w0.635: C23.2 D5.2@47.084,67.259 ; D5.2@47.121,67.296 D6.2@49.976,67.296 ; D6.2 57.125,67.208 v1(59.563,64.77)
  Bottom Layer w0.635: v1(59.563,64.77) 59.563,64.745 61.951,62.357 v1(65.862,62.357)
VCC3.3: BOOT1.1 BOOT1.2 C6.2 C9.2 C12.2 C14.2 C21.1 C25.2 D4.2 D5.1 JTAG1.1 JTAG1.2 L2.2 R1.2 R2.2 R3.2 R9.2 R10.2 R12.2 R14.2 R15.2 R22.1 R23.1 R24.1 R25.1 R27.2 R29.2 R32.1 SD_CARD1.4 U2.2 U2.4 U3.9 U4.8 VOUT1.2 VOUT1.4 VOUT1.6 | length 594
  Top Layer w0.229: C14.2@118.618,95.047 118.62,95.045 C14.2@118.62,94.918 ; U3.9 C9.2@131.369,89.636
  Top Layer w0.508: C14.2@118.593,94.945 118.62,94.918 L2.2 ; C14.2 C14.2@118.618,95.047
  Top Layer w0.635: 34.912,75.184 35.065,75.336 C21.1 56.667,75.336 ; U4.8@58.38,75.336 56.667,75.336 ; R27.2 65.699,73.649 65.684,73.635 ; v1(67.666,73.635) 65.684,73.635 ; 94.59,2.362 94.91,2.683 R2.2 ; C14.2@118.618,95.047 118.618,96.469 118.872,96.723 ; C9.2 134.036,89.687 135.814,91.465 135.814,97.434 ; C12.2@163.297,14.173 163.373,14.097 163.373,12.206 R3.2@163.309,12.143 ; C12.2@163.373,14.249 163.373,15.9 ; 56.667,75.336 56.667,74.422 57.455,73.635 65.684,73.635
  Top Layer w0.762: JTAG1.1 17.995,30.67 20.733,33.408 R22.1 R23.1 R24.1 23.287,39.4 23.343,39.345 ; R25.1 23.158,43.3 ; SD_CARD1.4 34.647,75.983 ; 34.912,64.757 R9.2 R10.2 R12.2 34.912,75.184 R14.2 R15.2 ; 56.566,2.362 56.845,2.642 56.845,38.659 60.885,42.699 R29.2 ; 82.758,2.57 R1.2 ; U2.2 157.398,17.887 C25.2 157.378,18.39 158.648,19.66 163.373,19.66
  Top Layer w1.016: JTAG1.2 JTAG1.1 ; 34.912,64.757 34.912,63.475 ; D5.1@47.523,63.475 34.912,63.475 ; v6@73.99,90.195 BOOT1.1 BOOT1.2 ; 118.618,96.571 119.609,97.561 166.091,97.561 177.597,86.055 177.597,34.696 163.373,20.472 163.373,19.66 163.373,15.977 ; VOUT1.2@130.429,7.798 VOUT1.6@135.458,7.798 ; VOUT1.6 137.338,7.772 139.09,6.02 139.09,2.362 ; D4.2@148.59,4.928 149.377,5.715 151.181,5.715 154.026,8.56 U2.4@157.398,8.56 ; U2.2 U2.4 U2.4@157.398,8.56 ; 34.912,63.475 33.274,63.475 23.343,53.543 23.343,39.345 23.343,4.42 25.4,2.362 56.566,2.362 94.59,2.362 139.09,2.362 ; 139.09,2.362 153.873,2.362 157.398,5.887 U2.4@157.398,8.56
  Bottom Layer w0.635: v1(67.666,73.635) 67.666,84.176 v6@73.431,89.941
  Bottom Layer w1.016: JTAG1.2 JTAG1.1
  other v6: 73.787,90.195
VCC3.3E: C10.2 C11.2 C15.2 C16.2 EARTHNET1.4 EARTHNET1.5 L2.1 R5.2 R6.2 R7.2 R8.2 U3.1 U3.19 | length 73.5
  Top Layer w0.254: L2.1 123.825,91.542 123.952,91.415 U3.19@123.952,91.135 ; 123.292,91.592 123.317,91.618 v2(123.317,95.504) ; v2(123.393,85.903) 124.835,87.345 U3.1
  Top Layer w0.508: EARTHNET1.4@99.619,83.947 98.32,85.246 EARTHNET1.5 98.32,86.839 101.371,89.891 111.1,89.891 112.776,91.567 C15.2 L2.1@118.593,91.567 ; C15.2@116.154,91.44 116.408,91.186 C11.2 ; C16.2 C11.2@116.383,89.103
  Bottom Layer w0.254: v2(123.317,95.504) 128.956,95.504 131.293,93.167 131.293,87.706 129.489,85.903 v2(123.393,85.903) v2@123.393,85.954
VCC5: C3.1 C5.1 D3.2 K1.2 M1.58 M1.59 M1.60 P2.2 P3.6 P4.1 U2.3 VOUT2.2 VOUT2.4 VOUT2.6 | length 231.8
  Top Layer w0.508: v6(73.35,7.717) M1.60 75.413,39.33 ; M1.59 75.313,40.13 75.413,40.03 ; M1.58 75.072,40.93 75.413,40.589 75.413,40.03 ; C3.1@77.354,39.33 75.413,39.33 ; U2.3 C5.1@154.985,17.626 ; 75.413,39.33 75.413,40.03
  Top Layer w1.016: K1.2 147.207,14.794 148.7,14.794 ; D3.2@148.74,10.033 148.74,14.754 148.7,14.794 ; U2.3 148.7,14.794
  Bottom Layer w1.016: P4.1 52.121,4.039 55.855,7.772 VOUT2.2 VOUT2.4 VOUT2.4@123.901,7.772 ; VOUT2.6@126.467,7.772 VOUT2.6 VOUT2.4@123.901,7.772 ; 138.989,16.434 P3.6 138.989,47.981 156.185,65.176 P2.2@169.062,65.176 ; K1.2@145.593,16.129 145.52,16.201 129.943,16.201 123.901,10.16 VOUT2.4@123.901,7.772
VCC12: DC_IN1.1 F1.1 RS1.1 | length 120.4
  Top Layer w1.016: DC_IN1.1 F1.1
  Bottom Layer w1.016: RS1.1@63.271,86.868 69.367,92.964 82.525,92.964 85.827,89.662 109.195,89.662 117.119,97.587 140.628,97.587 152.408,85.807 DC_IN1.1
VREF+: M1.2 P1.1 | length 19.6
  Top Layer w0.508: P1.1@63.906,25.273 63.906,37.92 66.116,40.13 M1.2
pads on no net: BAT1.0 EARTHNET1. EARTHNET1.7 JTAG1.11 JTAG1.17 JTAG1.19 M1. M2. P2.3 P2.6 P2.7 P4.2 P4.6 P4.7 P4.8 P4.9 P4.12 P4.13 P4.14 P4.15 P4.16 RS1. RS1.3 RS1.5 RS1.6 RS1.7 SD_CARD1.10 SD_CARD1.11 SD_CARD1.12 U1.6 U3.10 Y1.
copper on no net:
  other v5: 176.029,3.651 3.6,4.2 176.31,95.903 3.946,96.349
  other v7: 257.4,173.9

## Polygon pours and split planes (outlines as drawn)
GND on Top Layer "Keep-Out Layer-No Net" (solid, remove dead copper, pour order 0): 1.362,-0.121 cw(c1.5,1.5) -0.121,1.362 cw(c0,1.4) -0.127,1.4 -0.127,98.6 cw(c0,98.6) -0.121,98.638 cw(c1.5,98.5) 1.499,100.127 cw(c1.5,98.499) 1.5,100.127 178.6,100.127 cw(c178.6,100) 178.638,100.121 cw(c178.5,98.5) 180.121,98.638 cw(c180,98.6) 180.127,98.6 180.127,1.5 cw(c178.5,1.5) 178.501,-0.127 cw(c178.5,0) 178.5,-0.127 1.4,-0.127 cw(c1.4,0)
GND on Bottom Layer "Keep-Out Layer-No Net 1" (solid, remove dead copper, pour order 1): 1.362,-0.121 cw(c1.5,1.5) -0.121,1.362 cw(c0,1.4) -0.127,1.4 -0.127,98.6 cw(c0,98.6) -0.121,98.638 cw(c1.5,98.5) 1.499,100.127 cw(c1.5,98.499) 1.5,100.127 178.6,100.127 cw(c178.6,100) 178.638,100.121 cw(c178.5,98.5) 180.121,98.638 cw(c180,98.6) 180.127,98.6 180.127,1.5 cw(c178.5,1.5) 178.501,-0.127 cw(c178.5,0) 178.5,-0.127 1.4,-0.127 cw(c1.4,0)

## Keep-outs
Keep-Out Layer:
  lines w0.254: 0,1.4 0,98.6 ; 0,1.5 ccw(c1.5,1.5) 1.5,0 ; 0,98.5 cw(c1.5,98.5) 1.5,100 178.6,100 ; 1.4,0 178.5,0 ccw(c178.5,1.5) 180,1.5 180,98.6 ; 178.5,100 cw(c178.5,98.5) 180,98.5

## Silkscreen, mask and mechanical layers (free items; w line width, h text height)
Top Overlay:
  circle w0.254: c3.946,96.349 r3.483
  circle w0.254: c176.029,3.651 r3.483
  circle w0.254: c3.6,4.2 r3.483
  circle w0.254: c176.31,95.903 r3.483
  lines w0.254: 0,4.2 2,4.2 ; 3.6,0 3.6,2.5 ; 176.31,97.603 176.31,100.103 ; 178.063,95.7 180.063,95.7
  text "ZS-006" at 14.326,93.599 h3
  text "TXD" at 72.593,73.127 h1.52
  text "TXD" at 164.059,72.136 h1.52
  text "RXD" at 72.619,70.282 h1.52
  text "RXD" at 164.084,69.698 h1.52
  text "VCC" at 163.728,64.618 h1.52
  text "GND" at 163.83,62.128 h1.52
  text "VCC" at 138.557,27.94 h1.52 r270
  text "GND" at 135.915,27.889 h1.52 r270
  text "TXD" at 133.477,27.864 h1.52 r270
  text "RXD" at 130.912,27.838 h1.52 r270
  text "3.3" at 137.846,7.341 h1.52
  text "5V" at 117.119,7.214 h1.52
  text "GND" at 116.383,4.699 h1.52
  text "GND" at 137.312,4.623 h1.52
Top Solder:
  text "感享者" at 12.548,23.851 h8 r270
Mechanical 2:
  lines w0.254: 71.7,36.8 102.7,36.8 ; 181.294,1.525 181.8,0 ; 181.39,98.477 181.9,100 ; 181.546,0 182.054,0 ; 181.646,100 182.154,100 ; 181.844,44.261 181.8,0 ; 181.856,55.739 181.9,100 ; 182.31,1.523 181.8,0 ; 182.406,98.475 181.9,100 ; 54.407,27.991 119.407,27.991 119.407,72.991 54.407,72.991 54.407,27.991 ; 123.037,27.566 142.037,27.566 142.037,56.566 123.037,56.566 123.037,27.566 ; 138.684,60.706 171.684,60.706 171.684,79.731 138.684,79.731 138.684,60.706
  text "100 (mm)" at 182.759,44.514 h1.52 r89.94

## Dimensions
180.037,99.9 to 0.037,100.1 on Mechanical 2

## Text inside footprints (layer, text, board x,y; h text height)
C1: Top Overlay "+" at 157.709,54.966 h1.2 r180
C2: Top Overlay "+" at 164.313,29.058 h1.2